# Altium PCB PROC114E3_BRD.PcbDoc (part 18 of 18)
Units mm, origin at the board's own origin, x right, y up, seen from the top; angles counter-clockwise.
Board outline 85 x 155.18 mm, 10 copper layers (TOP, L02_GND1, L03_SIG1, L04_GND2, L05_PWR1, L06_PWR2, L07_GND3, L08_SIG2, L09_GND4, BOTTOM), stack 1.134 mm thick; 1389 components, 1010 nets, 5137 pads, 3263 vias.
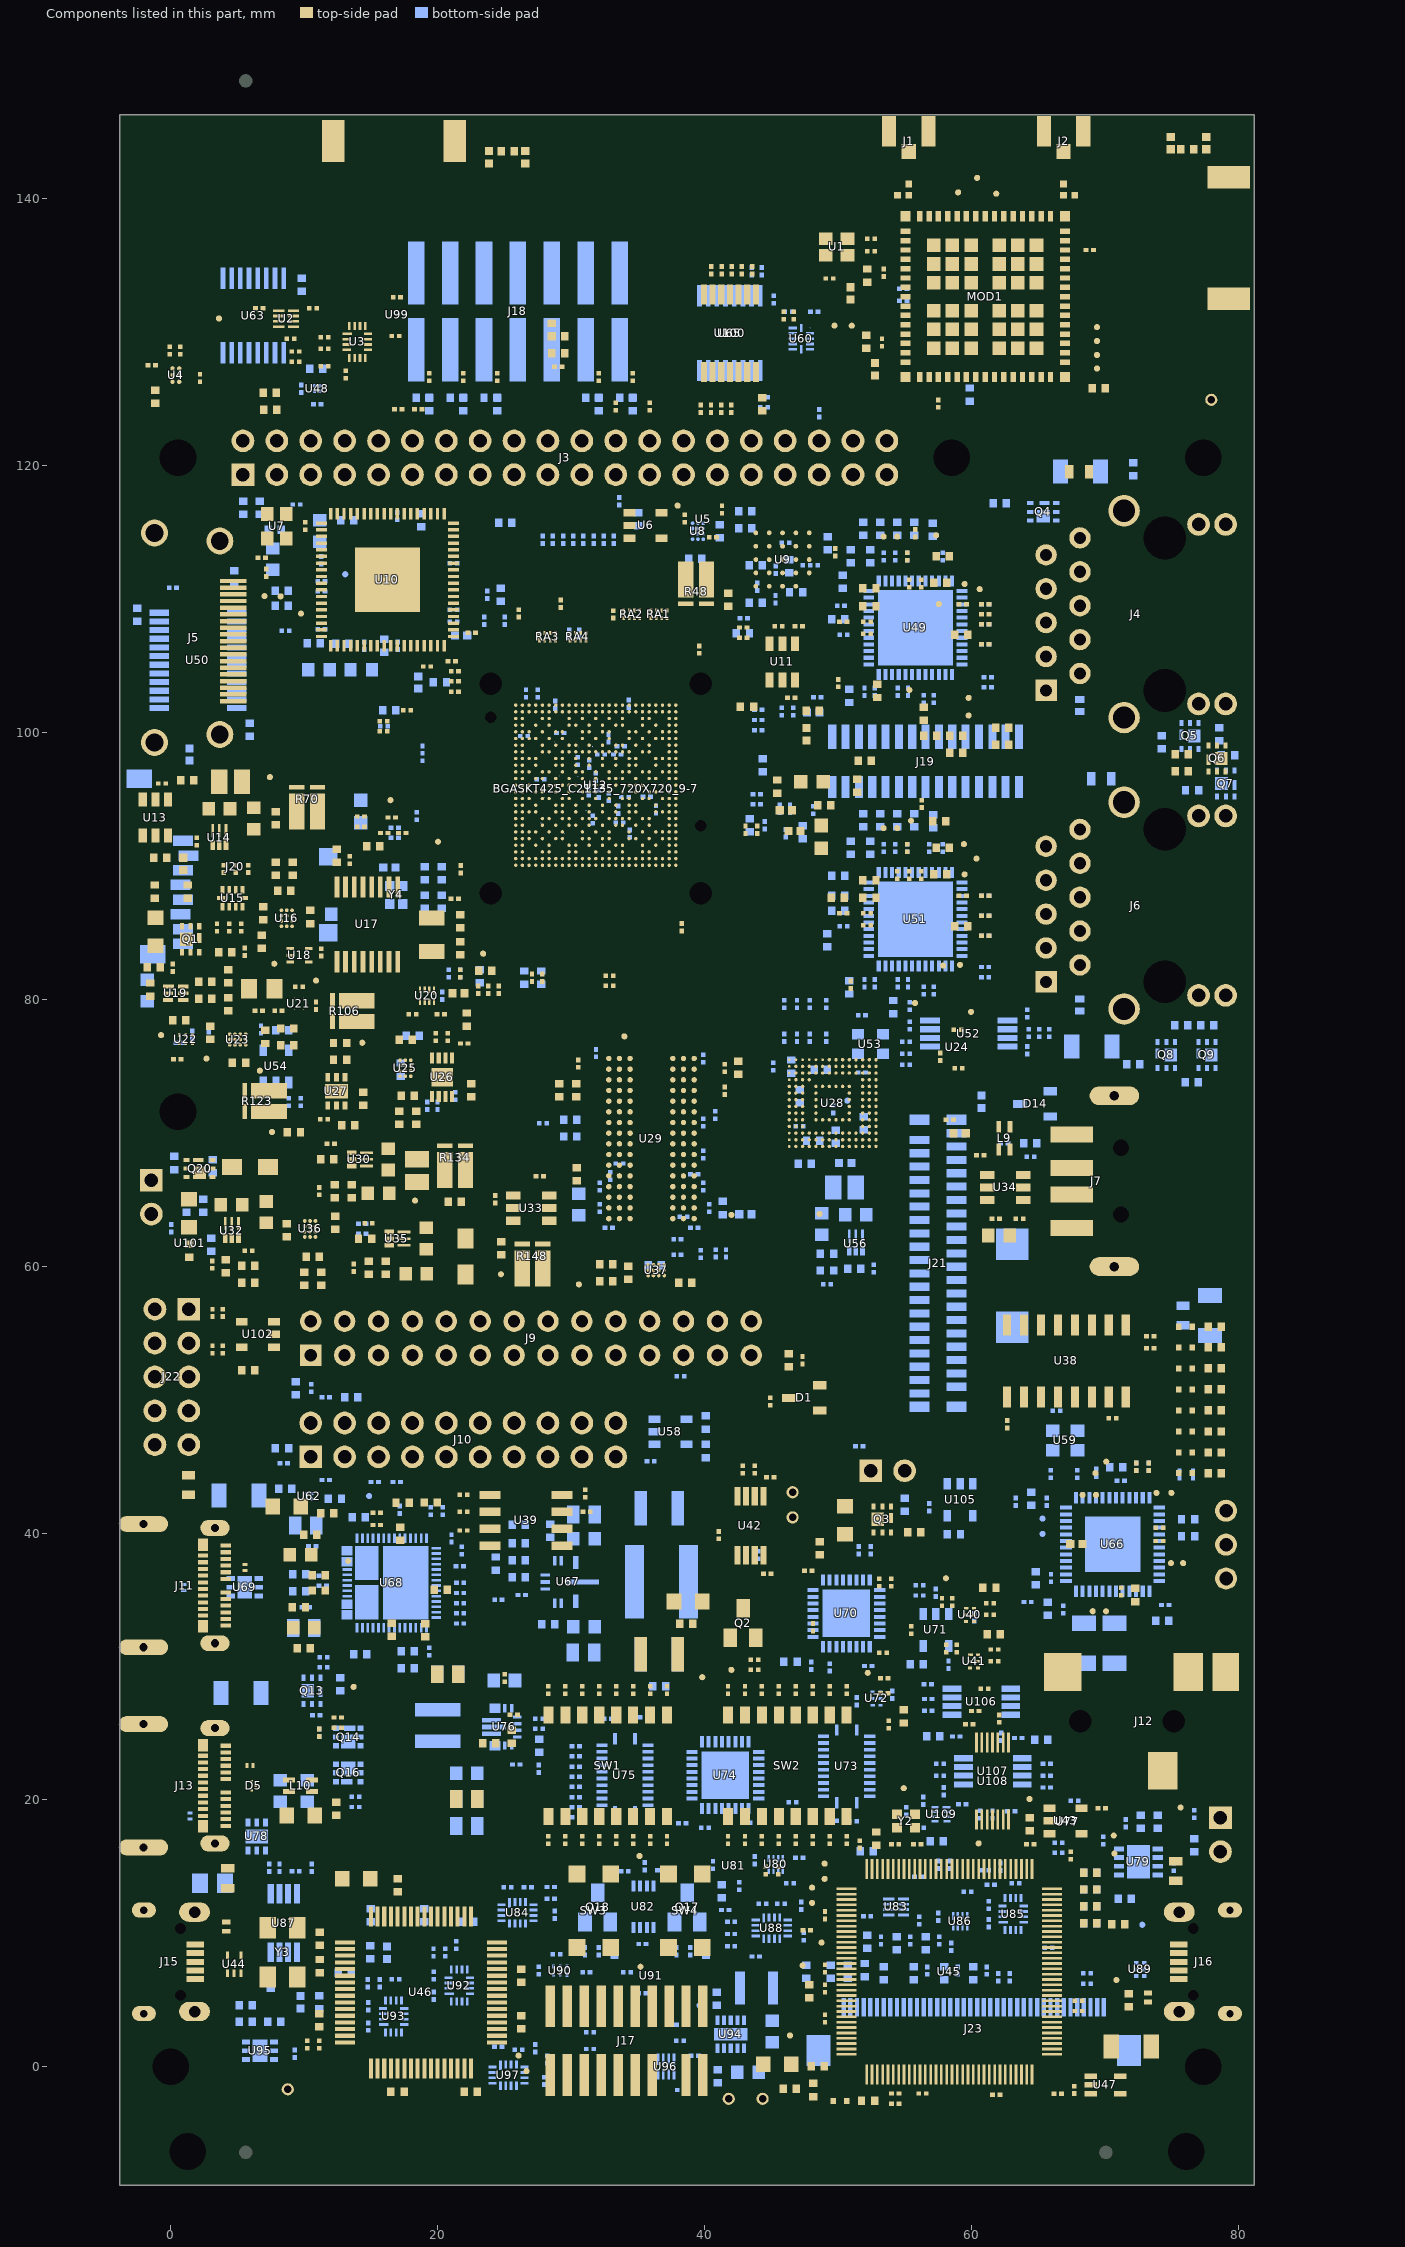
[diagram p26: the components of this part, seen from the top]

## Silkscreen, mask and mechanical layers (free items; w line width, h text height) (continued)
TB_BPST:
  text "SECONDARY-PASTEMASK" at 62.528,-35.941 h1.27
  text "17" at 68.072,-42.291 h1.27
TB_TPST:
  text "PRIMARY-PASTEMASK" at 62.414,-35.941 h1.27
  text "16" at 68.072,-42.291 h1.27
TB_BSLK:
  text "SECONDARY-SILKSCREEN" at 62.522,-35.941 h1.27
  text "15" at 68.072,-42.291 h1.27
TB_BMSK:
  text "SECONDARY-SOLDERMASK" at 62.522,-35.941 h1.27
  text "14" at 68.072,-42.291 h1.27
TB_SOLD:
  text "SECONDARY-SIDE-SIG" at 62.535,-35.941 h1.27
  text "13" at 68.072,-42.291 h1.27
TB_L10:
  text "INNER-SIGNAL-3" at 62.306,-35.941 h1.27
  text "13" at 68.072,-42.291 h1.27
TB_L11:
  text "GROUND-PLANE-04" at 62.427,-35.941 h1.27
  text "14" at 68.072,-42.291 h1.27
TB_L08:
  text "INNER-SIGNAL-02" at 62.3,-35.941 h1.27
  text "11" at 68.072,-42.291 h1.27
TB_L09:
  text "GROUND-PLANE-04" at 62.427,-35.941 h1.27
  text "12" at 68.072,-42.291 h1.27
TB_L06:
  text "POWER-PLANE-02" at 62.433,-35.941 h1.27
  text "09" at 67.945,-42.291 h1.27
TB_L07:
  text "GROUND-PLANE-03" at 62.427,-35.941 h1.27
  text "10" at 68.072,-42.291 h1.27
TB_L04:
  text "GROUND-PLANE-02" at 62.427,-35.941 h1.27
  text "07" at 67.945,-42.291 h1.27
TB_L05:
  text "POWER-PLANE-01" at 62.433,-35.941 h1.27
  text "08" at 67.945,-42.291 h1.27
TB_L02:
  text "GROUND-PLANE-01" at 62.427,-35.941 h1.27
  text "05" at 67.945,-42.291 h1.27
TB_L03:
  text "INNER-SIGNAL-01" at 62.3,-35.941 h1.27
  text "06" at 67.945,-42.291 h1.27
TB_TMSK:
  text "PRIMARY-SOLDERMASK" at 62.408,-35.941 h1.27
  text "03" at 67.945,-42.291 h1.27
TB_COMP:
  text "PRIMARY-SIDE-SIG" at 62.42,-35.941 h1.27
  text "04" at 67.945,-42.291 h1.27
TB_TSLK:
  text "PRIMARY-SILKSCREEN" at 62.408,-35.941 h1.27
  text "02" at 67.945,-42.291 h1.27
LAYER_STACKUP:
  drawing of 1017 lines, arcs and shapes, not listed
  text "LAYER STACKUP" at -290.841,-130.772 h3.05
  text "LAYER NAME" at -265.149,-138.392 h2.54
  text "FINISHED Cu" at -217.588,-138.392 h2.54
  text "X-SECTION" at -167.931,-138.392 h2.54
  text "DIELECTRIC THICKNESS" at -131.482,-138.816 h2.54
  text "[INCHES]" at -106.59,-144.531 h2.54
  text "PRIMARY SIDE SILKSCREEN" at -276.96,-146.012 h2.54
  text "PRIMARY SIDE SOLDERMASK" at -276.96,-150.457 h2.54
  text "L01" at -287.12,-154.902 h2.54
  text "PRIMARY SIDE" at -257.148,-154.902 h2.54
  text "1oz." at -210.476,-154.902 h2.54
  text "0.0037" at -103.542,-156.85 h2.54
  text "L02" at -287.12,-159.347 h2.54
  text "GROUND-PLANE-1" at -256.132,-159.347 h2.54
  text "1oz." at -210.476,-159.347 h2.54
  text "0.004" at -103.542,-161.295 h2.54
  text "L03" at -287.12,-163.792 h2.54
  text "INNER-SIGNAL-1" at -256.132,-163.792 h2.54
  text "1oz." at -210.476,-163.792 h2.54
  text "0.0066" at -103.542,-165.74 h2.54
  text "L04" at -287.12,-168.237 h2.54
  text "GROUND-PLANE-2" at -256.132,-168.237 h2.54
  text "1oz." at -210.476,-168.237 h2.54
  text "0.005" at -103.542,-170.185 h2.54
  text "L05" at -287.12,-172.682 h2.54
  text "POWER-PLANE-1" at -254.1,-172.682 h2.54
  text "1oz." at -210.476,-172.682 h2.54
  text "0.009" at -103.542,-174.63 h2.54
  text "L06" at -287.12,-177.127 h2.54
  text "POWER-PLANE-2" at -254.1,-177.127 h2.54
  text "1oz." at -210.476,-177.127 h2.54
  text "0.005" at -103.542,-179.075 h2.54
  text "L07" at -287.12,-181.572 h2.54
  text "GROUND-PLANE-3" at -256.132,-181.572 h2.54
  text "1oz." at -210.476,-181.572 h2.54
  text "0.0066" at -103.542,-183.52 h2.54
  text "L08" at -287.12,-186.017 h2.54
  text "INNER-SIGNAL-2" at -256.132,-186.017 h2.54
  text "1oz." at -210.476,-186.017 h2.54
  text "0.004" at -103.542,-187.965 h2.54
  text "L09" at -287.12,-190.462 h2.54
  text "GROUND-PLANE-4" at -256.132,-190.462 h2.54
  text "1oz." at -210.476,-190.462 h2.54
  text "0.0037" at -103.542,-192.41 h2.54
  text "L10" at -287.12,-194.907 h2.54
  text "SECONDARY SIDE" at -256.132,-194.907 h2.54
  text "1oz." at -210.476,-194.907 h2.54
  text "SECONDARY SIDE SOLDERMASK" at -275.944,-199.352 h2.54
  text "SECONDARY SIDE SILKSCREEN" at -275.944,-203.797 h2.54
DXF:
  drawing of 3227 lines, arcs and shapes, not listed
Mechanical 255:
  drawing of 212 lines, arcs and shapes, not listed

## Text inside footprints (layer, text, board x,y; h text height)
A1: PIN_NUMBER "2" at 12.094,144.487 h0.25 r180; PIN_NUMBER "1" at 21.194,144.487 h0.25 r180
A2: PIN_NUMBER "2" at 79.026,132.509 h0.25 r270; PIN_NUMBER "1" at 79.026,141.609 h0.25 r270
C1: PIN_NUMBER "1" at 76.571,143.832 h0.25 r180; PIN_NUMBER "2" at 75.591,143.832 h0.25 r180
C2: PIN_NUMBER "1" at 24.681,143.438 h0.25; PIN_NUMBER "2" at 25.661,143.438 h0.25
C3: PIN_NUMBER "2" at 53.202,134.171 h0.25 r270; PIN_NUMBER "1" at 53.202,134.731 h0.25 r270
C4: PIN_NUMBER "2" at 51.989,133.751 h0.25 r270; PIN_NUMBER "1" at 51.989,134.731 h0.25 r270
C5: PIN_NUMBER "2" at 49.557,133.893 h0.25; PIN_NUMBER "1" at 48.997,133.893 h0.25
C6: PIN_NUMBER "1" at 6.252,131.656 h0.25; PIN_NUMBER "2" at 6.812,131.656 h0.25
C7: PIN_NUMBER "1" at 10.85,131.91 h0.25 r180; PIN_NUMBER "2" at 10.29,131.91 h0.25 r180
C8: PIN_NUMBER "1" at 11.146,129.492 h0.25; PIN_NUMBER "2" at 11.705,129.492 h0.25
C9: PIN_NUMBER "2" at 52.16,129.761 h0.25 r90; PIN_NUMBER "1" at 52.16,128.781 h0.25 r90
C10: PIN_NUMBER "2" at 53.334,129.505 h0.25 r90; PIN_NUMBER "1" at 53.334,128.945 h0.25 r90
C11: PIN_NUMBER "1" at 11.146,128.628 h0.25; PIN_NUMBER "2" at 11.705,128.628 h0.25
C12: PIN_NUMBER "2" at 2.221,126.845 h0.25 r90; PIN_NUMBER "1" at 2.221,126.285 h0.25 r90
C13: PIN_NUMBER "2" at 7.819,125.334 h0.25; PIN_NUMBER "1" at 6.839,125.334 h0.25
C14: PIN_NUMBER "2" at -1.396,124.679 h0.25 r270; PIN_NUMBER "1" at -1.396,125.659 h0.25 r270
C15: PIN_NUMBER "1" at 7.845,124.318 h0.25 r180; PIN_NUMBER "2" at 6.865,124.318 h0.25 r180
C16: PIN_NUMBER "2" at 41.348,116.995 h0.25 r90; PIN_NUMBER "1" at 41.348,116.435 h0.25 r90
C17: PIN_NUMBER "2" at 38.3,115.748 h0.25 r270; PIN_NUMBER "1" at 38.3,116.308 h0.25 r270
C18: PIN_NUMBER "2" at 39.711,113.137 h0.25 r180; PIN_NUMBER "1" at 38.731,113.137 h0.25 r180
C19: PIN_NUMBER "2" at 55.233,113.464 h0.25 r90; PIN_NUMBER "1" at 55.233,112.904 h0.25 r90
C20: PIN_NUMBER "1" at 6.452,112.964 h0.25; PIN_NUMBER "2" at 7.012,112.964 h0.25
C21: PIN_NUMBER "2" at 55.132,110.875 h0.25 r270; PIN_NUMBER "1" at 55.132,111.435 h0.25 r270
C22: PIN_NUMBER "2" at 56.021,110.875 h0.25 r270; PIN_NUMBER "1" at 56.021,111.435 h0.25 r270
C23: PIN_NUMBER "1" at 41.822,109.451 h0.25 r90; PIN_NUMBER "2" at 41.822,110.431 h0.25 r90
C24: PIN_NUMBER "2" at 58.985,109.724 h0.25 r180; PIN_NUMBER "1" at 59.545,109.724 h0.25 r180
C25: PIN_NUMBER "2" at 61.223,109.47 h0.25; PIN_NUMBER "1" at 60.663,109.47 h0.25
C26: PIN_NUMBER "2" at 61.228,108.722 h0.25; PIN_NUMBER "1" at 60.669,108.722 h0.25
C27: PIN_NUMBER "2" at 50.029,108.431 h0.25 r180; PIN_NUMBER "1" at 50.589,108.431 h0.25 r180
C28: PIN_NUMBER "2" at 52.361,108.177 h0.25; PIN_NUMBER "1" at 51.801,108.177 h0.25
C29: PIN_NUMBER "2" at 61.223,107.97 h0.25; PIN_NUMBER "1" at 60.663,107.97 h0.25
C30: PIN_NUMBER "1" at 47.249,108.087 h0.25 r180; PIN_NUMBER "2" at 46.689,108.087 h0.25 r180
C31: PIN_NUMBER "2" at 43.095,107.737 h0.25; PIN_NUMBER "1" at 42.536,107.737 h0.25
C32: PIN_NUMBER "2" at 52.361,107.263 h0.25; PIN_NUMBER "1" at 51.801,107.263 h0.25
C33: PIN_NUMBER "2" at 58.662,107.434 h0.25 r180; PIN_NUMBER "1" at 59.642,107.434 h0.25 r180
C34: PIN_NUMBER "2" at 43.095,106.975 h0.25; PIN_NUMBER "1" at 42.536,106.975 h0.25
C35: PIN_NUMBER "2" at 61.223,106.47 h0.25; PIN_NUMBER "1" at 60.663,106.47 h0.25
C36: PIN_NUMBER "2" at 20.918,104.709 h0.25 r180; PIN_NUMBER "1" at 21.477,104.709 h0.25 r180
C37: PIN_NUMBER "1" at 20.918,103.693 h0.25; PIN_NUMBER "2" at 21.477,103.693 h0.25
C38: PIN_NUMBER "2" at 49.809,103.415 h0.25 r270; PIN_NUMBER "1" at 49.809,103.974 h0.25 r270
C39: PIN_NUMBER "2" at 52.719,102.619 h0.25 r270; PIN_NUMBER "1" at 52.719,103.599 h0.25 r270
C40: PIN_NUMBER "2" at 20.918,103.185 h0.25 r180; PIN_NUMBER "1" at 21.477,103.185 h0.25 r180
C41: PIN_NUMBER "2" at 48.52,101.481 h0.25; PIN_NUMBER "1" at 47.54,101.481 h0.25
C42: PIN_NUMBER "2" at 15.577,100.964 h0.25 r180; PIN_NUMBER "1" at 16.137,100.964 h0.25 r180
C43: PIN_NUMBER "2" at 61.744,100.486 h0.25 r180; PIN_NUMBER "1" at 62.724,100.486 h0.25 r180
C44: PIN_NUMBER "2" at 15.577,100.202 h0.25 r180; PIN_NUMBER "1" at 16.137,100.202 h0.25 r180
C45: PIN_NUMBER "2" at 61.744,99.216 h0.25 r180; PIN_NUMBER "1" at 62.724,99.216 h0.25 r180
C46: PIN_NUMBER "2" at 1.622,96.276 h0.25; PIN_NUMBER "1" at 0.642,96.276 h0.25
C47: PIN_NUMBER "2" at -1.028,96.302 h0.25 r180; PIN_NUMBER "1" at -0.468,96.302 h0.25 r180
C48: PIN_NUMBER "2" at 45.493,96.436 h0.25 r90; PIN_NUMBER "1" at 45.493,95.456 h0.25 r90
C49: PIN_NUMBER "2" at 49.369,94.42 h0.25; PIN_NUMBER "1" at 48.389,94.42 h0.25
C50: PIN_NUMBER "2" at 4.345,94.143 h0.25; PIN_NUMBER "1" at 2.744,94.143 h0.25
C51: PIN_NUMBER "2" at 13.873,93.828 h0.25 r180; PIN_NUMBER "1" at 14.433,93.828 h0.25 r180
C52: PIN_NUMBER "2" at 6,92.758 h0.25 r270; PIN_NUMBER "1" at 6,94.358 h0.25 r270
C53: PIN_NUMBER "1" at 7.893,93.068 h0.25 r90; PIN_NUMBER "2" at 7.893,94.048 h0.25 r90
C54: PIN_NUMBER "2" at 13.873,93.066 h0.25 r180; PIN_NUMBER "1" at 14.433,93.066 h0.25 r180
C55: PIN_NUMBER "1" at 43.106,92.42 h0.25 r90; PIN_NUMBER "2" at 43.106,92.98 h0.25 r90
C56: PIN_NUMBER "1" at 43.995,92.42 h0.25 r90; PIN_NUMBER "2" at 43.995,92.98 h0.25 r90
C57: PIN_NUMBER "2" at 15.562,91.346 h0.25; PIN_NUMBER "1" at 14.582,91.346 h0.25
C58: PIN_NUMBER "2" at 55.233,91.62 h0.25 r90; PIN_NUMBER "1" at 55.233,91.06 h0.25 r90
C59: PIN_NUMBER "1" at 12.234,91.242 h0.25 r270; PIN_NUMBER "2" at 12.234,90.262 h0.25 r270
C60: PIN_NUMBER "2" at -1.385,90.744 h0.25 r180; PIN_NUMBER "1" at -0.405,90.744 h0.25 r180
C61: PIN_NUMBER "2" at 54.218,89.031 h0.25 r270; PIN_NUMBER "1" at 54.218,89.591 h0.25 r270
C62: PIN_NUMBER "2" at 55.132,89.031 h0.25 r270; PIN_NUMBER "1" at 55.132,89.591 h0.25 r270
C63: PIN_NUMBER "2" at 56.021,89.031 h0.25 r270; PIN_NUMBER "1" at 56.021,89.591 h0.25 r270
C64: PIN_NUMBER "2" at 8.898,88.016 h0.25; PIN_NUMBER "1" at 7.918,88.016 h0.25
C65: PIN_NUMBER "1" at -1.164,87.587 h0.25 r90; PIN_NUMBER "2" at -1.164,88.567 h0.25 r90
C66: PIN_NUMBER "1" at 1.299,87.587 h0.25 r90; PIN_NUMBER "2" at 1.299,88.567 h0.25 r90
C67: PIN_NUMBER "2" at 58.985,87.88 h0.25 r180; PIN_NUMBER "1" at 59.545,87.88 h0.25 r180
C68: PIN_NUMBER "2" at 61.223,87.626 h0.25; PIN_NUMBER "1" at 60.663,87.626 h0.25
C69: PIN_NUMBER "2" at 49.41,87.742 h0.25 r180; PIN_NUMBER "1" at 50.39,87.742 h0.25 r180
C70: PIN_NUMBER "2" at 50.029,86.587 h0.25 r180; PIN_NUMBER "1" at 50.589,86.587 h0.25 r180
C71: PIN_NUMBER "2" at 52.361,86.333 h0.25; PIN_NUMBER "1" at 51.801,86.333 h0.25
C72: PIN_NUMBER "1" at 6.956,85.965 h0.25 r90; PIN_NUMBER "2" at 6.956,86.945 h0.25 r90
C73: PIN_NUMBER "2" at 61.223,86.126 h0.25; PIN_NUMBER "1" at 60.663,86.126 h0.25
C74: PIN_NUMBER "2" at 10.48,86.658 h0.25 r90; PIN_NUMBER "1" at 10.48,85.678 h0.25 r90
C75: PIN_NUMBER "2" at 21.736,86.352 h0.25 r90; PIN_NUMBER "1" at 21.736,85.372 h0.25 r90
C76: PIN_NUMBER "2" at 52.361,85.419 h0.25; PIN_NUMBER "1" at 51.801,85.419 h0.25
C77: PIN_NUMBER "2" at 58.662,85.59 h0.25 r180; PIN_NUMBER "1" at 59.642,85.59 h0.25 r180
C78: PIN_NUMBER "2" at 61.223,84.626 h0.25; PIN_NUMBER "1" at 60.663,84.626 h0.25
C79: PIN_NUMBER "2" at 21.482,83.34 h0.25 r270; PIN_NUMBER "1" at 21.482,84.32 h0.25 r270
C80: PIN_NUMBER "1" at 21.489,82.211 h0.25 r270; PIN_NUMBER "2" at 21.489,81.652 h0.25 r270
C81: PIN_NUMBER "1" at 32.512,81.638 h0.25; PIN_NUMBER "2" at 33.072,81.638 h0.25
C82: PIN_NUMBER "1" at 26.854,81.89 h0.25 r270; PIN_NUMBER "2" at 26.854,81.33 h0.25 r270
C83: PIN_NUMBER "1" at 27.616,81.89 h0.25 r270; PIN_NUMBER "2" at 27.616,81.33 h0.25 r270
C84: PIN_NUMBER "2" at 50.755,80.807 h0.25 r270; PIN_NUMBER "1" at 50.755,81.367 h0.25 r270
C85: PIN_NUMBER "1" at 32.512,80.876 h0.25; PIN_NUMBER "2" at 33.072,80.876 h0.25
C86: PIN_NUMBER "1" at 9.229,80.808 h0.25; PIN_NUMBER "2" at 9.788,80.808 h0.25
C87: PIN_NUMBER "2" at -1.51,81.221 h0.25 r90; PIN_NUMBER "1" at -1.51,80.241 h0.25 r90
C88: PIN_NUMBER "2" at 23.08,80.989 h0.25 r90; PIN_NUMBER "1" at 23.08,80.429 h0.25 r90
C89: PIN_NUMBER "2" at 23.842,80.989 h0.25 r90; PIN_NUMBER "1" at 23.842,80.429 h0.25 r90
C90: PIN_NUMBER "2" at 24.604,80.989 h0.25 r90; PIN_NUMBER "1" at 24.604,80.429 h0.25 r90
C91: PIN_NUMBER "2" at 4.103,79.149 h0.25 r270; PIN_NUMBER "1" at 4.103,80.129 h0.25 r270
C92: PIN_NUMBER "2" at 10.918,79.798 h0.25 r90; PIN_NUMBER "1" at 10.918,79.238 h0.25 r90
C93: PIN_NUMBER "1" at 20.418,79.01 h0.25 r180; PIN_NUMBER "2" at 19.858,79.01 h0.25 r180
C94: PIN_NUMBER "2" at 0.053,78.567 h0.25 r180; PIN_NUMBER "1" at 1.033,78.567 h0.25 r180
C95: PIN_NUMBER "2" at 58.594,77.854 h0.25 r180; PIN_NUMBER "1" at 59.154,77.854 h0.25 r180
C96: PIN_NUMBER "2" at 6.868,76.686 h0.25 r270; PIN_NUMBER "1" at 6.868,77.666 h0.25 r270
C97: PIN_NUMBER "1" at 12.102,76.599 h0.25; PIN_NUMBER "2" at 13.082,76.599 h0.25
C98: PIN_NUMBER "2" at 12.102,75.583 h0.25 r180; PIN_NUMBER "1" at 13.082,75.583 h0.25 r180
C99: PIN_NUMBER "2" at 5.51,75.104 h0.25; PIN_NUMBER "1" at 4.53,75.104 h0.25
C100: PIN_NUMBER "2" at 58.656,74.973 h0.25 r180; PIN_NUMBER "1" at 59.216,74.973 h0.25 r180
C101: PIN_NUMBER "2" at 22.569,73.678 h0.25 r90; PIN_NUMBER "1" at 22.569,72.698 h0.25 r90
C102: PIN_NUMBER "2" at 41.292,72.874 h0.25 r270; PIN_NUMBER "1" at 41.292,73.433 h0.25 r270; PROC101E2 TMDS64GPEVM_T "C42" at 41.139,72.588 h0.76 r270
C103: PIN_NUMBER "2" at 17.19,72.888 h0.25 r180; PIN_NUMBER "1" at 18.17,72.888 h0.25 r180
C104: PIN_NUMBER "2" at 14.464,73.023 h0.25 r90; PIN_NUMBER "1" at 14.464,72.043 h0.25 r90
C105: PIN_NUMBER "1" at 6.014,61.296 h0.25 r180; PIN_NUMBER "2" at 5.454,61.296 h0.25 r180
C106: PIN_NUMBER "1" at 9.63,70.176 h0.25 r180; PIN_NUMBER "2" at 8.65,70.176 h0.25 r180
C107: PIN_NUMBER "2" at 6.933,63.246 h0.25 r270; PIN_NUMBER "1" at 6.933,64.846 h0.25 r270
C108: PIN_NUMBER "2" at 16.092,67.206 h0.25 r270; PIN_NUMBER "1" at 16.092,68.806 h0.25 r270
C110: PIN_NUMBER "2" at 5.267,64.471 h0.25; PIN_NUMBER "1" at 3.667,64.471 h0.25
C111: PIN_NUMBER "1" at 11.17,65.344 h0.25 r90; PIN_NUMBER "2" at 11.17,65.903 h0.25 r90
C112: PIN_NUMBER "2" at 14.682,65.601 h0.25 r180; PIN_NUMBER "1" at 16.283,65.601 h0.25 r180
C113: PIN_NUMBER "1" at 24.361,64.739 h0.25 r90; PIN_NUMBER "2" at 24.361,65.298 h0.25 r90
C114: PIN_NUMBER "1" at 21.676,64.954 h0.25 r180; PIN_NUMBER "2" at 20.696,64.954 h0.25 r180
C115: PIN_NUMBER "2" at 62.01,63.428 h0.25; PIN_NUMBER "1" at 61.45,63.428 h0.25
C116: PIN_NUMBER "2" at 8.468,62.199 h0.25 r270; PIN_NUMBER "1" at 8.468,63.179 h0.25 r270
C117: PIN_NUMBER "2" at 18.912,61.262 h0.25 r270; PIN_NUMBER "1" at 18.912,62.862 h0.25 r270
C118: PIN_NUMBER "1" at 24.539,61.827 h0.25 r270; PIN_NUMBER "2" at 24.539,60.847 h0.25 r270
C119: PIN_NUMBER "1" at 11.03,60.841 h0.25 r180; PIN_NUMBER "2" at 10.05,60.841 h0.25 r180
C120: PIN_NUMBER "2" at 13.736,60.163 h0.25 r90; PIN_NUMBER "1" at 13.736,59.603 h0.25 r90
C121: PIN_NUMBER "2" at 34.335,59.999 h0.25 r90; PIN_NUMBER "1" at 34.335,59.019 h0.25 r90
C122: PIN_NUMBER "2" at 17.502,59.556 h0.25 r180; PIN_NUMBER "1" at 19.102,59.556 h0.25 r180
C129: PIN_NUMBER "1" at 58.009,70.848 h0.25; PIN_NUMBER "2" at 58.569,70.848 h0.25
C134: PIN_NUMBER "2" at 31.086,43.242 h0.25 r90; PIN_NUMBER "1" at 31.086,42.682 h0.25 r90
C135: PIN_NUMBER "2" at 19.867,42.161 h0.25; PIN_NUMBER "1" at 18.887,42.161 h0.25
C136: PIN_NUMBER "2" at 16.787,42.412 h0.25 r180; PIN_NUMBER "1" at 17.767,42.412 h0.25 r180
C137: PIN_NUMBER "2" at 73.719,40.528 h0.25 r180; PIN_NUMBER "1" at 74.279,40.528 h0.25 r180
C138: PIN_NUMBER "2" at 16.992,39.454 h0.25 r270; PIN_NUMBER "1" at 16.992,40.434 h0.25 r270
C139: PIN_NUMBER "2" at 9.862,40.012 h0.25 r180; PIN_NUMBER "1" at 10.842,40.012 h0.25 r180
C140: PIN_NUMBER "2" at 73.719,39.528 h0.25 r180; PIN_NUMBER "1" at 74.279,39.528 h0.25 r180
C141: PIN_NUMBER "2" at 8.828,38.488 h0.25 r180; PIN_NUMBER "1" at 10.428,38.488 h0.25 r180
C142: PIN_NUMBER "1" at 10.497,36.71 h0.25; PIN_NUMBER "2" at 11.477,36.71 h0.25
C143: PIN_NUMBER "2" at 19.659,35.888 h0.25 r180; PIN_NUMBER "1" at 20.639,35.888 h0.25 r180
C144: PIN_NUMBER "1" at 10.497,35.567 h0.25; PIN_NUMBER "2" at 11.477,35.567 h0.25
C145: PIN_NUMBER "2" at 71.281,35.894 h0.25 r90; PIN_NUMBER "1" at 71.281,35.334 h0.25 r90
C146: PIN_NUMBER "2" at 72.325,35.845 h0.25 r90; PIN_NUMBER "1" at 72.325,34.865 h0.25 r90
C147: PIN_NUMBER "2" at 9.024,34.556 h0.25 r180; PIN_NUMBER "1" at 10.004,34.556 h0.25 r180
C148: PIN_NUMBER "2" at 61.59,33.735 h0.25; PIN_NUMBER "1" at 61.03,33.735 h0.25
C149: PIN_NUMBER "2" at 19.862,29.289 h0.25; PIN_NUMBER "1" at 21.462,29.289 h0.25
C150: PIN_NUMBER "2" at 9.069,33.027 h0.25 r180; PIN_NUMBER "1" at 10.669,33.027 h0.25 r180
C151: PIN_NUMBER "2" at 16.612,33.229 h0.25 r90; PIN_NUMBER "1" at 16.612,32.249 h0.25 r90
C152: PIN_NUMBER "2" at 19.106,33.216 h0.25 r90; PIN_NUMBER "1" at 19.106,32.236 h0.25 r90
C153: PIN_NUMBER "2" at 9.379,31.506 h0.25 r180; PIN_NUMBER "1" at 10.359,31.506 h0.25 r180
C154: PIN_NUMBER "2" at 35.114,31.049 h0.25 r180; PIN_NUMBER "1" at 37.914,31.049 h0.25 r180
C155: PIN_NUMBER "2" at 21.286,21.859 h0.25; PIN_NUMBER "1" at 22.887,21.859 h0.25
C156: PIN_NUMBER "1" at 43.931,29.875 h0.25 r180; PIN_NUMBER "2" at 43.371,29.875 h0.25 r180
C157: PIN_NUMBER "2" at 61.919,30.255 h0.25; PIN_NUMBER "1" at 61.359,30.255 h0.25
C158: PIN_NUMBER "2" at 21.286,20.208 h0.25 r180; PIN_NUMBER "1" at 22.887,20.208 h0.25 r180
C159: PIN_NUMBER "2" at 45.113,44.062 h0.25; PIN_NUMBER "1" at 44.553,44.062 h0.25
C160: PIN_NUMBER "2" at 21.286,17.922 h0.25; PIN_NUMBER "1" at 22.887,17.922 h0.25
C161: PIN_NUMBER "1" at 12.702,26.299 h0.25 r180; PIN_NUMBER "2" at 12.142,26.299 h0.25 r180
C162: PIN_NUMBER "1" at 11.165,24.749 h0.25 r90; PIN_NUMBER "2" at 11.165,25.309 h0.25 r90
C164: PIN_NUMBER "2" at 27.635,23.559 h0.25 r90; PIN_NUMBER "1" at 27.635,24.539 h0.25 r90
C166: PIN_NUMBER "2" at 44.885,36.828 h0.25; PIN_NUMBER "1" at 44.325,36.828 h0.25
C167: PIN_NUMBER "2" at 69.959,19.243 h0.25; PIN_NUMBER "1" at 69.399,19.243 h0.25
C169: PIN_NUMBER "1" at 64.607,16.8 h0.25 r180; PIN_NUMBER "2" at 64.047,16.8 h0.25 r180
C170: PIN_NUMBER "1" at 51.424,16.946 h0.25 r270; PIN_NUMBER "2" at 51.424,16.386 h0.25 r270
C171: PIN_NUMBER "1" at 53.912,16.535 h0.25; PIN_NUMBER "2" at 54.472,16.535 h0.25
C172: PIN_NUMBER "1" at 56.123,16.789 h0.25 r180; PIN_NUMBER "2" at 55.563,16.789 h0.25 r180
C173: PIN_NUMBER "1" at 49.061,11.074 h0.25 r90; PIN_NUMBER "2" at 49.061,11.634 h0.25 r90
C174: PIN_NUMBER "2" at 11.205,10.086 h0.25 r90; PIN_NUMBER "1" at 11.205,9.106 h0.25 r90
C175: PIN_NUMBER "2" at 10.951,7.059 h0.25 r270; PIN_NUMBER "1" at 10.951,8.039 h0.25 r270
C176: PIN_NUMBER "2" at 49.061,7.646 h0.25 r90; PIN_NUMBER "1" at 49.061,7.086 h0.25 r90
C177: PIN_NUMBER "1" at 26.059,7.303 h0.25 r270; PIN_NUMBER "2" at 26.059,6.323 h0.25 r270
C178: PIN_NUMBER "2" at 48.807,5.578 h0.25 r270; PIN_NUMBER "1" at 48.807,6.137 h0.25 r270
C179: PIN_NUMBER "2" at 47.639,5.157 h0.25 r270; PIN_NUMBER "1" at 47.639,6.137 h0.25 r270
C180: PIN_NUMBER "2" at 71.586,4.493 h0.25 r270; PIN_NUMBER "1" at 71.586,5.473 h0.25 r270
C181: PIN_NUMBER "2" at 49.061,3.897 h0.25 r90; PIN_NUMBER "1" at 49.061,3.337 h0.25 r90
C182: PIN_NUMBER "1" at 11.154,3 h0.25 r90; PIN_NUMBER "2" at 11.154,3.98 h0.25 r90
C183: PIN_NUMBER "1" at 26.313,2.843 h0.25 r90; PIN_NUMBER "2" at 26.313,3.823 h0.25 r90
C184: PIN_NUMBER "1" at 11.165,1.381 h0.25 r90; PIN_NUMBER "2" at 11.165,1.941 h0.25 r90
C185: PIN_NUMBER "1" at 70.396,1.407 h0.25; PIN_NUMBER "2" at 73.396,1.407 h0.25
C186: PIN_NUMBER "2" at 67.73,-1.452 h0.25 r90; PIN_NUMBER "1" at 67.73,-2.011 h0.25 r90
C187: PIN_NUMBER "1" at 17.388,-1.735 h0.25 r180; PIN_NUMBER "2" at 16.408,-1.735 h0.25 r180
C188: PIN_NUMBER "1" at 22.887,-1.735 h0.25 r180; PIN_NUMBER "2" at 21.907,-1.735 h0.25 r180
C189: PIN_NUMBER "2" at 53.928,-1.88 h0.25 r180; PIN_NUMBER "1" at 54.488,-1.88 h0.25 r180
C190: PIN_NUMBER "1" at 56.521,-1.88 h0.25 r180; PIN_NUMBER "2" at 55.961,-1.88 h0.25 r180
C191: PIN_NUMBER "2" at 61.496,-1.956 h0.25 r180; PIN_NUMBER "1" at 62.056,-1.956 h0.25 r180
C192: PIN_NUMBER "2" at 53.928,-2.642 h0.25 r180; PIN_NUMBER "1" at 54.488,-2.642 h0.25 r180
C193: PIN_NUMBER "2" at 10.314,127.137 h0.25; PIN_NUMBER "1" at 11.294,127.137 h0.25
C194: PIN_NUMBER "2" at 10.604,124.476 h0.25; PIN_NUMBER "1" at 11.164,124.476 h0.25
C195: PIN_NUMBER "2" at 66.588,119.416 h0.25; PIN_NUMBER "1" at 69.588,119.416 h0.25
C196: PIN_NUMBER "1" at 6.466,116.335 h0.25 r270; PIN_NUMBER "2" at 6.466,117.315 h0.25 r270
C197: PIN_NUMBER "2" at 5.45,116.335 h0.25 r90; PIN_NUMBER "1" at 5.45,117.315 h0.25 r90
C198: PIN_NUMBER "1" at 42.463,116.712 h0.25 r180; PIN_NUMBER "2" at 43.443,116.712 h0.25 r180
C199: PIN_NUMBER "2" at 18.798,115.417 h0.25 r90; PIN_NUMBER "1" at 18.798,116.397 h0.25 r90
C200: PIN_NUMBER "2" at 17.02,115.932 h0.25 r90; PIN_NUMBER "1" at 17.02,116.492 h0.25 r90
C201: PIN_NUMBER "2" at 13.63,116.025 h0.25 r180; PIN_NUMBER "1" at 12.65,116.025 h0.25 r180
C202: PIN_NUMBER "2" at 35.083,115.479 h0.25 r90; PIN_NUMBER "1" at 35.083,116.459 h0.25 r90
C203: PIN_NUMBER "2" at 42.472,115.19 h0.25; PIN_NUMBER "1" at 43.452,115.19 h0.25
C204: PIN_NUMBER "2" at 8.175,115.301 h0.25 r180; PIN_NUMBER "1" at 7.195,115.301 h0.25 r180
C205: PIN_NUMBER "2" at 41.161,114.584 h0.25 r90; PIN_NUMBER "1" at 41.161,115.564 h0.25 r90
C206: PIN_NUMBER "2" at 49.261,113.684 h0.25 r90; PIN_NUMBER "1" at 49.261,114.664 h0.25 r90
C207: PIN_NUMBER "2" at 11.32,112.63 h0.25 r90; PIN_NUMBER "1" at 11.32,113.19 h0.25 r90
C208: PIN_NUMBER "2" at 54.979,113.464 h0.25 r270; PIN_NUMBER "1" at 54.979,112.904 h0.25 r270
C209: PIN_NUMBER "2" at 20.813,112.563 h0.25; PIN_NUMBER "1" at 21.373,112.563 h0.25
C210: PIN_NUMBER "2" at 43.25,112.408 h0.25; PIN_NUMBER "1" at 44.23,112.408 h0.25
C211: PIN_NUMBER "2" at 4.554,112.133 h0.25 r270; PIN_NUMBER "1" at 4.554,111.153 h0.25 r270
C212: PIN_NUMBER "2" at 11.473,111.452 h0.25 r180; PIN_NUMBER "1" at 10.913,111.452 h0.25 r180
C213: PIN_NUMBER "2" at 11.473,110.69 h0.25 r180; PIN_NUMBER "1" at 10.913,110.69 h0.25 r180
C214: PIN_NUMBER "2" at 24.773,109.822 h0.25 r90; PIN_NUMBER "1" at 24.773,110.802 h0.25 r90
C215: PIN_NUMBER "1" at 23.503,110.033 h0.25 r270; PIN_NUMBER "2" at 23.503,110.592 h0.25 r270
C216: PIN_NUMBER "2" at 61.223,109.724 h0.25 r180; PIN_NUMBER "1" at 60.663,109.724 h0.25 r180
C217: PIN_NUMBER "2" at 20.813,109.063 h0.25; PIN_NUMBER "1" at 21.373,109.063 h0.25
C218: PIN_NUMBER "2" at 43.121,108.692 h0.25 r180; PIN_NUMBER "1" at 42.561,108.692 h0.25 r180
C219: PIN_NUMBER "2" at -2.749,109.302 h0.25 r270; PIN_NUMBER "1" at -2.749,108.322 h0.25 r270
C220: PIN_NUMBER "1" at 24.797,108.088 h0.25 r270; PIN_NUMBER "2" at 24.797,108.647 h0.25 r270
C221: PIN_NUMBER "1" at 33.457,96.676 h0.25 r225; PIN_NUMBER "2" at 33.853,97.072 h0.25 r225
C222: PIN_NUMBER "1" at 23.273,108.088 h0.25 r270; PIN_NUMBER "2" at 23.273,108.647 h0.25 r270
C223: PIN_NUMBER "2" at 20.813,108.19 h0.25; PIN_NUMBER "1" at 21.373,108.19 h0.25
C224: PIN_NUMBER "2" at 61.223,108.224 h0.25 r180; PIN_NUMBER "1" at 60.663,108.224 h0.25 r180
C225: PIN_NUMBER "2" at 11.473,107.868 h0.25 r180; PIN_NUMBER "1" at 10.913,107.868 h0.25 r180
C226: PIN_NUMBER "2" at 43.28,107.564 h0.25 r180; PIN_NUMBER "1" at 42.3,107.564 h0.25 r180
C227: PIN_NUMBER "2" at 50.044,107.199 h0.25; PIN_NUMBER "1" at 50.604,107.199 h0.25
C228: PIN_NUMBER "2" at 61.223,106.724 h0.25 r180; PIN_NUMBER "1" at 60.663,106.724 h0.25 r180
C229: PIN_NUMBER "2" at 16.782,106.77 h0.25 r270; PIN_NUMBER "1" at 16.782,106.21 h0.25 r270
C230: PIN_NUMBER "2" at 15.766,106.98 h0.25 r270; PIN_NUMBER "1" at 15.766,106 h0.25 r270
C231: PIN_NUMBER "2" at 14.266,106.77 h0.25 r270; PIN_NUMBER "1" at 14.266,106.21 h0.25 r270
C232: PIN_NUMBER "2" at 10.212,104.572 h0.25; PIN_NUMBER "1" at 11.812,104.572 h0.25
C233: PIN_NUMBER "2" at 19.59,103.617 h0.25; PIN_NUMBER "1" at 20.57,103.617 h0.25
C234: PIN_NUMBER "1" at 61.408,103.246 h0.25; PIN_NUMBER "2" at 60.848,103.246 h0.25
C235: PIN_NUMBER "2" at 55.285,102.764 h0.25 r90; PIN_NUMBER "1" at 55.285,103.324 h0.25 r90
C236: PIN_NUMBER "2" at 54.523,102.764 h0.25 r90; PIN_NUMBER "1" at 54.523,103.324 h0.25 r90
C237: PIN_NUMBER "2" at 52.787,102.764 h0.25 r90; PIN_NUMBER "1" at 52.787,103.324 h0.25 r90
C238: PIN_NUMBER "2" at 52.025,102.764 h0.25 r90; PIN_NUMBER "1" at 52.025,103.324 h0.25 r90
C239: PIN_NUMBER "2" at 28.817,99.832 h0.25; PIN_NUMBER "1" at 29.377,99.832 h0.25
C240: PIN_NUMBER "2" at 26.656,102.63 h0.25 r90; PIN_NUMBER "1" at 26.656,103.19 h0.25 r90
C241: PIN_NUMBER "2" at 27.545,102.63 h0.25 r90; PIN_NUMBER "1" at 27.545,103.19 h0.25 r90
C242: PIN_NUMBER "2" at 50.865,102.242 h0.25 r90; PIN_NUMBER "1" at 50.865,103.222 h0.25 r90
C243: PIN_NUMBER "2" at 48.631,102.779 h0.25 r180; PIN_NUMBER "1" at 48.071,102.779 h0.25 r180
C244: PIN_NUMBER "1" at 43.653,101.824 h0.25 r180; PIN_NUMBER "2" at 44.213,101.824 h0.25 r180
C245: PIN_NUMBER "1" at 46.445,101.286 h0.25 r270; PIN_NUMBER "2" at 46.445,101.845 h0.25 r270
C246: PIN_NUMBER "1" at 45.556,101.286 h0.25 r270; PIN_NUMBER "2" at 45.556,101.845 h0.25 r270
C247: PIN_NUMBER "1" at 43.653,101.062 h0.25 r180; PIN_NUMBER "2" at 44.213,101.062 h0.25 r180
C248: PIN_NUMBER "1" at 5.694,99.699 h0.25 r270; PIN_NUMBER "2" at 5.694,100.679 h0.25 r270
C249: PIN_NUMBER "1" at 15.603,100.586 h0.25 r180; PIN_NUMBER "2" at 16.163,100.586 h0.25 r180
C250: PIN_NUMBER "1" at 43.653,100.3 h0.25 r180; PIN_NUMBER "2" at 44.213,100.3 h0.25 r180
C251: PIN_NUMBER "2" at 32.587,99.845 h0.25 r270; PIN_NUMBER "1" at 32.587,99.286 h0.25 r270
C252: PIN_NUMBER "2" at 29.962,99.211 h0.25 r315; PIN_NUMBER "1" at 30.358,98.815 h0.25 r315
C253: PIN_NUMBER "2" at 28.583,99.189 h0.25 r315; PIN_NUMBER "1" at 28.979,98.793 h0.25 r315
C254: PIN_NUMBER "2" at 33.912,99.091 h0.25 r180; PIN_NUMBER "1" at 33.353,99.091 h0.25 r180
C255: PIN_NUMBER "2" at 31.201,98.462 h0.25 r45; PIN_NUMBER "1" at 31.597,98.858 h0.25 r45
C256: PIN_NUMBER "2" at 35.631,98.858 h0.25 r225; PIN_NUMBER "1" at 35.235,98.462 h0.25 r225
C257: PIN_NUMBER "2" at 29.689,98.818 h0.25 r225; PIN_NUMBER "1" at 29.293,98.422 h0.25 r225
C258: PIN_NUMBER "2" at 29.309,97.616 h0.25 r135; PIN_NUMBER "1" at 28.913,98.012 h0.25 r135
C259: PIN_NUMBER "2" at 33.087,98.217 h0.25; PIN_NUMBER "1" at 33.647,98.217 h0.25
C260: PIN_NUMBER "1" at 31.868,98.471 h0.25 r180; PIN_NUMBER "2" at 32.427,98.471 h0.25 r180
C261: PIN_NUMBER "1" at 30.293,97.581 h0.25 r270; PIN_NUMBER "2" at 30.293,98.141 h0.25 r270
C262: PIN_NUMBER "1" at 33.98,97.735 h0.25 r225; PIN_NUMBER "2" at 34.376,98.131 h0.25 r225
C263: PIN_NUMBER "2" at 26.099,99.604 h0.25; PIN_NUMBER "1" at 26.659,99.604 h0.25
C264: PIN_NUMBER "2" at 31.14,97.921 h0.25 r270; PIN_NUMBER "1" at 31.14,97.362 h0.25 r270
C265: PIN_NUMBER "2" at 34.63,97.142 h0.25 r45; PIN_NUMBER "1" at 35.026,97.538 h0.25 r45
C266: PIN_NUMBER "2" at 27.344,96.36 h0.25; PIN_NUMBER "1" at 27.904,96.36 h0.25
C267: PIN_NUMBER "1" at 30.333,96.603 h0.25 r315; PIN_NUMBER "2" at 29.937,96.999 h0.25 r315
C268: PIN_NUMBER "1" at 32.789,96.517 h0.25 r135; PIN_NUMBER "2" at 33.184,96.121 h0.25 r135
C269: PIN_NUMBER "2" at 28.581,97.045 h0.25 r315; PIN_NUMBER "1" at 28.977,96.649 h0.25 r315
C270: PIN_NUMBER "2" at 34.658,95.856 h0.25 r45; PIN_NUMBER "1" at 35.054,96.252 h0.25 r45
C271: PIN_NUMBER "2" at 29.548,96.09 h0.25 r315; PIN_NUMBER "1" at 29.944,95.694 h0.25 r315
C272: PIN_NUMBER "2" at 28.832,96.122 h0.25 r225; PIN_NUMBER "1" at 28.436,95.726 h0.25 r225
C273: PIN_NUMBER "1" at 31.093,95.31 h0.25 r270; PIN_NUMBER "2" at 31.093,95.871 h0.25 r270
C274: PIN_NUMBER "2" at 31.843,95.677 h0.25 r270; PIN_NUMBER "1" at 31.843,95.117 h0.25 r270
C275: PIN_NUMBER "2" at 43.549,95.252 h0.25; PIN_NUMBER "1" at 44.108,95.252 h0.25
C276: PIN_NUMBER "2" at 27.407,95.424 h0.25 r315; PIN_NUMBER "1" at 27.803,95.028 h0.25 r315
C277: PIN_NUMBER "1" at 29.817,94.983 h0.25 r315; PIN_NUMBER "2" at 29.421,95.379 h0.25 r315
C278: PIN_NUMBER "2" at 35.864,95.321 h0.25 r180; PIN_NUMBER "1" at 35.305,95.321 h0.25 r180
C279: PIN_NUMBER "2" at 32.605,95.449 h0.25 r270; PIN_NUMBER "1" at 32.605,94.889 h0.25 r270
C280: PIN_NUMBER "1" at 33.665,95.291 h0.25 r180; PIN_NUMBER "2" at 34.225,95.291 h0.25 r180
C281: PIN_NUMBER "2" at 43.549,94.49 h0.25; PIN_NUMBER "1" at 44.108,94.49 h0.25
C282: PIN_NUMBER "1" at 30.935,94.233 h0.25 r225; PIN_NUMBER "2" at 31.331,94.629 h0.25 r225
C283: PIN_NUMBER "2" at 34.306,94.015 h0.25 r45; PIN_NUMBER "1" at 34.702,94.411 h0.25 r45
C284: PIN_NUMBER "2" at 46.438,93.994 h0.25 r90; PIN_NUMBER "1" at 46.438,94.554 h0.25 r90
C285: PIN_NUMBER "2" at 45.676,93.994 h0.25 r90; PIN_NUMBER "1" at 45.676,94.554 h0.25 r90
C286: PIN_NUMBER "2" at 28.88,94.379 h0.25 r315; PIN_NUMBER "1" at 29.276,93.983 h0.25 r315
C287: PIN_NUMBER "2" at 36.397,93.949 h0.25 r90; PIN_NUMBER "1" at 36.397,94.509 h0.25 r90
C288: PIN_NUMBER "1" at 33.558,94.482 h0.25 r90; PIN_NUMBER "2" at 33.558,93.922 h0.25 r90
C289: PIN_NUMBER "2" at 48.172,93.913 h0.25 r90; PIN_NUMBER "1" at 48.172,94.473 h0.25 r90
C290: PIN_NUMBER "2" at 35.833,93.368 h0.25 r135; PIN_NUMBER "1" at 35.437,93.764 h0.25 r135
C291: PIN_NUMBER "1" at 31.665,93.747 h0.25 r90; PIN_NUMBER "2" at 31.665,93.187 h0.25 r90
C292: PIN_NUMBER "1" at 33.259,93.377 h0.25 r180; PIN_NUMBER "2" at 33.819,93.377 h0.25 r180
C293: PIN_NUMBER "1" at 43.179,92.565 h0.25 r270; PIN_NUMBER "2" at 43.179,93.545 h0.25 r270
C294: PIN_NUMBER "2" at 27.744,93.118 h0.25 r45; PIN_NUMBER "1" at 28.14,93.514 h0.25 r45
C295: PIN_NUMBER "1" at 44.305,92.761 h0.25 r270; PIN_NUMBER "2" at 44.305,93.321 h0.25 r270
C296: PIN_NUMBER "1" at 16.98,92.739 h0.25; PIN_NUMBER "2" at 16.42,92.739 h0.25
C297: PIN_NUMBER "2" at 47.137,93.014 h0.25 r270; PIN_NUMBER "1" at 47.137,92.034 h0.25 r270
C298: PIN_NUMBER "2" at 45.874,92.721 h0.25 r270; PIN_NUMBER "1" at 45.874,92.161 h0.25 r270
C299: PIN_NUMBER "1" at 16.98,91.977 h0.25; PIN_NUMBER "2" at 16.42,91.977 h0.25
C300: PIN_NUMBER "1" at 31.63,96.379 h0.25 r270; PIN_NUMBER "2" at 31.63,96.939 h0.25 r270
C301: PIN_NUMBER "2" at 54.979,91.62 h0.25 r270; PIN_NUMBER "1" at 54.979,91.06 h0.25 r270
C302: PIN_NUMBER "2" at 34.172,92.695 h0.25 r270; PIN_NUMBER "1" at 34.172,92.135 h0.25 r270
C303: PIN_NUMBER "1" at 19.064,89.946 h0.25 r90; PIN_NUMBER "2" at 19.064,88.966 h0.25 r90
C304: PIN_NUMBER "2" at 61.223,87.88 h0.25 r180; PIN_NUMBER "1" at 60.663,87.88 h0.25 r180
C305: PIN_NUMBER "1" at 18.81,86.833 h0.25 r270; PIN_NUMBER "2" at 18.81,87.813 h0.25 r270
C306: PIN_NUMBER "2" at 61.223,86.38 h0.25 r180; PIN_NUMBER "1" at 60.663,86.38 h0.25 r180
C307: PIN_NUMBER "2" at 50.044,85.355 h0.25; PIN_NUMBER "1" at 50.604,85.355 h0.25
C308: PIN_NUMBER "2" at 61.223,84.88 h0.25 r180; PIN_NUMBER "1" at 60.663,84.88 h0.25 r180
C309: PIN_NUMBER "1" at 21.743,82.211 h0.25 r90; PIN_NUMBER "2" at 21.743,81.652 h0.25 r90
C310: PIN_NUMBER "1" at 20.854,82.211 h0.25 r90; PIN_NUMBER "2" at 20.854,81.652 h0.25 r90
C311: PIN_NUMBER "1" at 23.18,82.229 h0.25 r90; PIN_NUMBER "2" at 23.18,81.249 h0.25 r90
C312: PIN_NUMBER "1" at 61.217,81.529 h0.25; PIN_NUMBER "2" at 60.657,81.529 h0.25
C313: PIN_NUMBER "1" at 27.798,82.12 h0.25 r90; PIN_NUMBER "2" at 27.798,81.141 h0.25 r90
C314: PIN_NUMBER "1" at 26.528,82.12 h0.25 r90; PIN_NUMBER "2" at 26.528,81.141 h0.25 r90
C315: PIN_NUMBER "2" at 55.285,80.92 h0.25 r90; PIN_NUMBER "1" at 55.285,81.48 h0.25 r90
C316: PIN_NUMBER "2" at 54.523,80.92 h0.25 r90; PIN_NUMBER "1" at 54.523,81.48 h0.25 r90
C317: PIN_NUMBER "2" at 52.787,80.92 h0.25 r90; PIN_NUMBER "1" at 52.787,81.48 h0.25 r90
C318: PIN_NUMBER "2" at 52.025,80.92 h0.25 r90; PIN_NUMBER "1" at 52.025,81.48 h0.25 r90
C319: PIN_NUMBER "2" at 50.865,80.398 h0.25 r90; PIN_NUMBER "1" at 50.865,81.378 h0.25 r90
C320: PIN_NUMBER "2" at -1.982,81.458 h0.25 r270; PIN_NUMBER "1" at -1.982,79.858 h0.25 r270
C321: PIN_NUMBER "2" at 20.367,79.984 h0.25 r90; PIN_NUMBER "1" at 20.367,80.543 h0.25 r90
C322: PIN_NUMBER "2" at 55.162,79.771 h0.25 r270; PIN_NUMBER "1" at 55.162,79.212 h0.25 r270
C323: PIN_NUMBER "2" at 7.764,77.557 h0.25; PIN_NUMBER "1" at 8.744,77.557 h0.25
C324: PIN_NUMBER "1" at 65.615,77.196 h0.25 r270; PIN_NUMBER "2" at 65.615,77.756 h0.25 r270
C325: PIN_NUMBER "1" at 64.853,77.196 h0.25 r270; PIN_NUMBER "2" at 64.853,77.756 h0.25 r270
C326: PIN_NUMBER "1" at 64.091,77.196 h0.25 r270; PIN_NUMBER "2" at 64.091,77.756 h0.25 r270
C327: PIN_NUMBER "2" at 67.437,76.335 h0.25; PIN_NUMBER "1" at 70.437,76.335 h0.25
C328: PIN_NUMBER "2" at 31.899,75.686 h0.25 r90; PIN_NUMBER "1" at 31.899,76.246 h0.25 r90; PROC101E2 TMDS64GPEVM_B "C270" at 31.484,73.044 h0.76 r270
C329: PIN_NUMBER "1" at 39.679,75.286 h0.25 r270; PIN_NUMBER "2" at 39.679,75.845 h0.25 r270; PROC101E2 TMDS64GPEVM_B "C268" at 37.151,76.043 h0.76 r180
C330: PIN_NUMBER "2" at 44.947,75.243 h0.25 r270; PIN_NUMBER "1" at 44.947,74.683 h0.25 r270
C331: PIN_NUMBER "2" at 46.27,75.452 h0.25 r270; PIN_NUMBER "1" at 46.27,74.472 h0.25 r270
C332: PIN_NUMBER "2" at 17.27,74.246 h0.25 r90; PIN_NUMBER "1" at 17.27,75.226 h0.25 r90
C333: PIN_NUMBER "2" at 48.129,74.575 h0.25; PIN_NUMBER "1" at 49.109,74.575 h0.25
C334: PIN_NUMBER "1" at 51.98,74.387 h0.25; PIN_NUMBER "2" at 51.421,74.387 h0.25
C335: PIN_NUMBER "2" at 47.17,72.25 h0.25 r90; PIN_NUMBER "1" at 47.17,73.23 h0.25 r90
C336: PIN_NUMBER "1" at 39.679,70.486 h0.25 r270; PIN_NUMBER "2" at 39.679,71.046 h0.25 r270; PROC101E2 TMDS64GPEVM_B "C250" at 37.151,71.217 h0.76 r180
C337: PIN_NUMBER "1" at 28.084,70.582 h0.25; PIN_NUMBER "2" at 27.524,70.582 h0.25; PROC101E2 TMDS64GPEVM_B "C248" at 24.782,71.09 h0.76 r180
C338: PIN_NUMBER "2" at 51.723,71.196 h0.25 r270; PIN_NUMBER "1" at 51.723,70.216 h0.25 r270
C339: PIN_NUMBER "1" at 39.679,68.085 h0.25 r270; PIN_NUMBER "2" at 39.679,68.646 h0.25 r270; PROC101E2 TMDS64GPEVM_B "C242" at 37.151,68.677 h0.76 r180
C340: PIN_NUMBER "1" at 33.812,67.564 h0.25; PIN_NUMBER "2" at 33.252,67.564 h0.25; PROC101E2 TMDS64GPEVM_B "C241" at 35.145,69.21 h0.76 r90
C341: PIN_NUMBER "2" at 47.899,67.805 h0.25 r180; PIN_NUMBER "1" at 46.919,67.805 h0.25 r180
C343: PIN_NUMBER "1" at 38.852,67.018 h0.25 r180; PIN_NUMBER "2" at 39.412,67.018 h0.25 r180; PROC101E2 TMDS64GPEVM_B "C239" at 36.262,67.026 h0.76 r180
C344: PIN_NUMBER "1" at 32.985,67.046 h0.25 r90; PIN_NUMBER "2" at 32.985,66.486 h0.25 r90; PROC101E2 TMDS64GPEVM_B "C236" at 30.166,67.661 h0.76 r180
C346: PIN_NUMBER "1" at 39.679,65.685 h0.25 r270; PIN_NUMBER "2" at 39.679,66.245 h0.25 r270; PROC101E2 TMDS64GPEVM_B "C233" at 37.151,65.629 h0.76 r180
C347: PIN_NUMBER "1" at 31.931,65.685 h0.25 r270; PIN_NUMBER "2" at 31.931,66.245 h0.25 r270; PROC101E2 TMDS64GPEVM_B "C232" at 32.579,66.01 h0.76 r180
C349: PIN_NUMBER "1" at 30.344,63.812 h0.25 r270; PIN_NUMBER "2" at 30.344,65.413 h0.25 r270; PROC101E2 TMDS64GPEVM_B "C230" at 27.245,64.994 h0.76 r180
C350: PIN_NUMBER "1" at 31.931,64.085 h0.25 r270; PIN_NUMBER "2" at 31.931,64.646 h0.25 r270; PROC101E2 TMDS64GPEVM_B "C229" at 32.579,64.74 h0.76 r180
C351: PIN_NUMBER "1" at 41.139,63.869 h0.25 r270; PIN_NUMBER "2" at 41.139,64.848 h0.25 r270
C352: PIN_NUMBER "2" at 40.377,64.079 h0.25 r90; PIN_NUMBER "1" at 40.377,64.638 h0.25 r90; PROC101E2 TMDS64GPEVM_B "C227" at 40.606,63.749 h0.76 r90
C353: PIN_NUMBER "2" at 50.446,63.739 h0.25; PIN_NUMBER "1" at 52.046,63.739 h0.25
C354: PIN_NUMBER "1" at 38.052,63.818 h0.25 r180; PIN_NUMBER "2" at 38.612,63.818 h0.25 r180; PROC101E2 TMDS64GPEVM_B "C224" at 35.5,64.232 h0.76 r180
C355: PIN_NUMBER "2" at 63.236,63.682 h0.25 r180; PIN_NUMBER "1" at 63.795,63.682 h0.25 r180
C356: PIN_NUMBER "2" at 62.783,62.17 h0.25; PIN_NUMBER "1" at 61.183,62.17 h0.25
C357: PIN_NUMBER "2" at 48.833,62.354 h0.25 r90; PIN_NUMBER "1" at 48.833,63.955 h0.25 r90
C358: PIN_NUMBER "1" at 39.412,62.764 h0.25; PIN_NUMBER "2" at 38.852,62.764 h0.25; PROC101E2 TMDS64GPEVM_B "C223" at 36.262,62.962 h0.76 r180
C359: PIN_NUMBER "1" at 32.452,63.018 h0.25 r180; PIN_NUMBER "2" at 33.012,63.018 h0.25 r180; PROC101E2 TMDS64GPEVM_B "C222" at 31.69,62.327 h0.76 r180
C361: PIN_NUMBER "2" at 37.594,61.885 h0.25; PIN_NUMBER "1" at 38.153,61.885 h0.25
C362: PIN_NUMBER "2" at 41.391,61.237 h0.25 r270; PIN_NUMBER "1" at 41.391,60.678 h0.25 r270
C363: PIN_NUMBER "2" at 40.629,61.237 h0.25 r270; PIN_NUMBER "1" at 40.629,60.678 h0.25 r270
C365: PIN_NUMBER "2" at 35.692,59.93 h0.25; PIN_NUMBER "1" at 36.672,59.93 h0.25
C367: PIN_NUMBER "2" at 49.367,58.786 h0.25 r180; PIN_NUMBER "1" at 48.807,58.786 h0.25 r180
C371: PIN_NUMBER "2" at 63.109,55.426 h0.25 r90; PIN_NUMBER "1" at 63.109,61.626 h0.25 r90
C372: PIN_NUMBER "2" at 77.916,54.796 h0.25 r90; PIN_NUMBER "1" at 77.916,57.797 h0.25 r90
C375: PIN_NUMBER "2" at 62.46,47.868 h0.25 r270; PIN_NUMBER "1" at 62.46,48.428 h0.25 r270
C376: PIN_NUMBER "2" at 10.554,50.581 h0.25 r90; PIN_NUMBER "1" at 10.554,51.141 h0.25 r90
C377: PIN_NUMBER "1" at 9.157,50.371 h0.25 r270; PIN_NUMBER "2" at 9.157,51.351 h0.25 r270
C379: PIN_NUMBER "2" at 7.754,46.238 h0.25; PIN_NUMBER "1" at 8.734,46.238 h0.25
C380: PIN_NUMBER "2" at 40.126,45.658 h0.25 r90; PIN_NUMBER "1" at 40.126,46.637 h0.25 r90
C381: PIN_NUMBER "1" at 8.091,45.349 h0.25 r180; PIN_NUMBER "2" at 8.65,45.349 h0.25 r180
C384: PIN_NUMBER "2" at 70.269,44.816 h0.25; PIN_NUMBER "1" at 71.249,44.816 h0.25
C385: PIN_NUMBER "1" at 46.488,131.408 h0.25; PIN_NUMBER "2" at 45.928,131.408 h0.25
C386: PIN_NUMBER "2" at 65.99,44.143 h0.25 r90; PIN_NUMBER "1" at 65.99,44.702 h0.25 r90
C387: PIN_NUMBER "2" at 11.801,44.099 h0.25 r180; PIN_NUMBER "1" at 11.241,44.099 h0.25 r180
C388: PIN_NUMBER "2" at 70.816,43.8 h0.25; PIN_NUMBER "1" at 71.376,43.8 h0.25
C391: PIN_NUMBER "2" at 8.003,43.19 h0.25; PIN_NUMBER "1" at 8.983,43.19 h0.25
C392: PIN_NUMBER "2" at 6.518,42.936 h0.25 r180; PIN_NUMBER "1" at 3.518,42.936 h0.25 r180
C393: PIN_NUMBER "2" at 64.276,43.052 h0.25 r270; PIN_NUMBER "1" at 64.276,42.072 h0.25 r270
C394: PIN_NUMBER "2" at 65.419,42.632 h0.25 r270; PIN_NUMBER "1" at 65.419,42.072 h0.25 r270
C395: PIN_NUMBER "2" at 35.114,41.717 h0.25; PIN_NUMBER "1" at 37.914,41.717 h0.25
C396: PIN_NUMBER "2" at 31.675,41.514 h0.25 r180; PIN_NUMBER "1" at 30.075,41.514 h0.25 r180
C397: PIN_NUMBER "1" at 76.635,40.91 h0.25; PIN_NUMBER "2" at 75.655,40.91 h0.25
C398: PIN_NUMBER "2" at 9.22,40.443 h0.25; PIN_NUMBER "1" at 10.82,40.443 h0.25
C399: PIN_NUMBER "1" at 76.635,39.64 h0.25; PIN_NUMBER "2" at 75.655,39.64 h0.25
C400: PIN_NUMBER "2" at 31.675,39.71 h0.25 r180; PIN_NUMBER "1" at 30.075,39.71 h0.25 r180
C401: PIN_NUMBER "2" at 10.224,38.894 h0.25; PIN_NUMBER "1" at 10.784,38.894 h0.25
C402: PIN_NUMBER "1" at 25.483,38.085 h0.25 r180; PIN_NUMBER "2" at 26.463,38.085 h0.25 r180
C404: PIN_NUMBER "1" at 44.983,132.161 h0.25 r270; PIN_NUMBER "2" at 44.983,132.721 h0.25 r270
C405: PIN_NUMBER "2" at 65.749,36.902 h0.25 r270; PIN_NUMBER "1" at 65.749,36.342 h0.25 r270
C406: PIN_NUMBER "2" at 64.606,37.112 h0.25 r270; PIN_NUMBER "1" at 64.606,36.132 h0.25 r270
C407: PIN_NUMBER "2" at 25.934,35.227 h0.25; PIN_NUMBER "1" at 26.494,35.227 h0.25
C408: PIN_NUMBER "1" at 9.588,133.065 h0.25 r270; PIN_NUMBER "2" at 9.588,134.044 h0.25 r270
C409: PIN_NUMBER "2" at 9.742,34.297 h0.25; PIN_NUMBER "1" at 10.301,34.297 h0.25
C410: PIN_NUMBER "2" at 65.749,33.836 h0.25 r90; PIN_NUMBER "1" at 65.749,34.816 h0.25 r90
C411: PIN_NUMBER "2" at 66.918,33.995 h0.25 r90; PIN_NUMBER "1" at 66.918,34.555 h0.25 r90
C412: PIN_NUMBER "1" at 74.716,33.306 h0.25; PIN_NUMBER "2" at 73.736,33.306 h0.25
C413: PIN_NUMBER "2" at 27.703,33.043 h0.25; PIN_NUMBER "1" at 28.683,33.043 h0.25
C414: PIN_NUMBER "2" at 31.675,33.106 h0.25 r180; PIN_NUMBER "1" at 30.075,33.106 h0.25 r180
C415: PIN_NUMBER "2" at 9.069,32.773 h0.25; PIN_NUMBER "1" at 10.669,32.773 h0.25
C416: PIN_NUMBER "2" at 70.769,30.237 h0.25 r90; PIN_NUMBER "1" at 70.769,33.237 h0.25 r90
C417: PIN_NUMBER "2" at 68.483,30.237 h0.25 r90; PIN_NUMBER "1" at 68.483,33.237 h0.25 r90
C418: PIN_NUMBER "2" at 31.65,31.176 h0.25 r180; PIN_NUMBER "1" at 30.049,31.176 h0.25 r180
C419: PIN_NUMBER "2" at 35.114,30.795 h0.25; PIN_NUMBER "1" at 37.914,30.795 h0.25
C420: PIN_NUMBER "2" at 21.286,19.954 h0.25; PIN_NUMBER "1" at 22.887,19.954 h0.25
C421: PIN_NUMBER "2" at 55.315,30.04 h0.25; PIN_NUMBER "1" at 56.295,30.04 h0.25
C422: PIN_NUMBER "1" at 49.163,29.652 h0.25 r270; PIN_NUMBER "2" at 49.163,30.212 h0.25 r270
C423: PIN_NUMBER "2" at 18.157,30.008 h0.25 r180; PIN_NUMBER "1" at 17.177,30.008 h0.25 r180
C424: PIN_NUMBER "2" at 25.704,29.073 h0.25 r180; PIN_NUMBER "1" at 24.104,29.073 h0.25 r180
C425: PIN_NUMBER "2" at 19.862,29.543 h0.25 r180; PIN_NUMBER "1" at 21.462,29.543 h0.25 r180
C426: PIN_NUMBER "2" at 36.024,28.382 h0.25; PIN_NUMBER "1" at 37.004,28.382 h0.25
C427: PIN_NUMBER "2" at 6.67,28.153 h0.25 r180; PIN_NUMBER "1" at 3.67,28.153 h0.25 r180
C429: PIN_NUMBER "1" at 54.11,28.159 h0.25 r90; PIN_NUMBER "2" at 54.11,27.599 h0.25 r90
C430: PIN_NUMBER "1" at 35.625,26.071 h0.25; PIN_NUMBER "2" at 35.065,26.071 h0.25
C431: PIN_NUMBER "2" at 32.373,25.944 h0.25; PIN_NUMBER "1" at 32.932,25.944 h0.25
C432: PIN_NUMBER "2" at 10.023,21.466 h0.25 r270; PIN_NUMBER "1" at 10.023,19.866 h0.25 r270
C433: PIN_NUMBER "2" at 7.991,21.466 h0.25 r270; PIN_NUMBER "1" at 7.991,19.866 h0.25 r270
C435: PIN_NUMBER "2" at 14.023,20.356 h0.25 r180; PIN_NUMBER "1" at 13.463,20.356 h0.25 r180
C437: PIN_NUMBER "1" at 67.916,19.816 h0.25; PIN_NUMBER "2" at 67.356,19.816 h0.25
C439: PIN_NUMBER "1" at 49.25,18.552 h0.25 r180; PIN_NUMBER "2" at 49.81,18.552 h0.25 r180
C440: PIN_NUMBER "2" at 50.763,18.273 h0.25; PIN_NUMBER "1" at 51.322,18.273 h0.25
C441: PIN_NUMBER "1" at 71.593,18.527 h0.25 r90; PIN_NUMBER "2" at 71.593,17.967 h0.25 r90